# Altium PCB isg_eos_control_board_xem3001.PcbDoc (part 2 of 2) (continued)
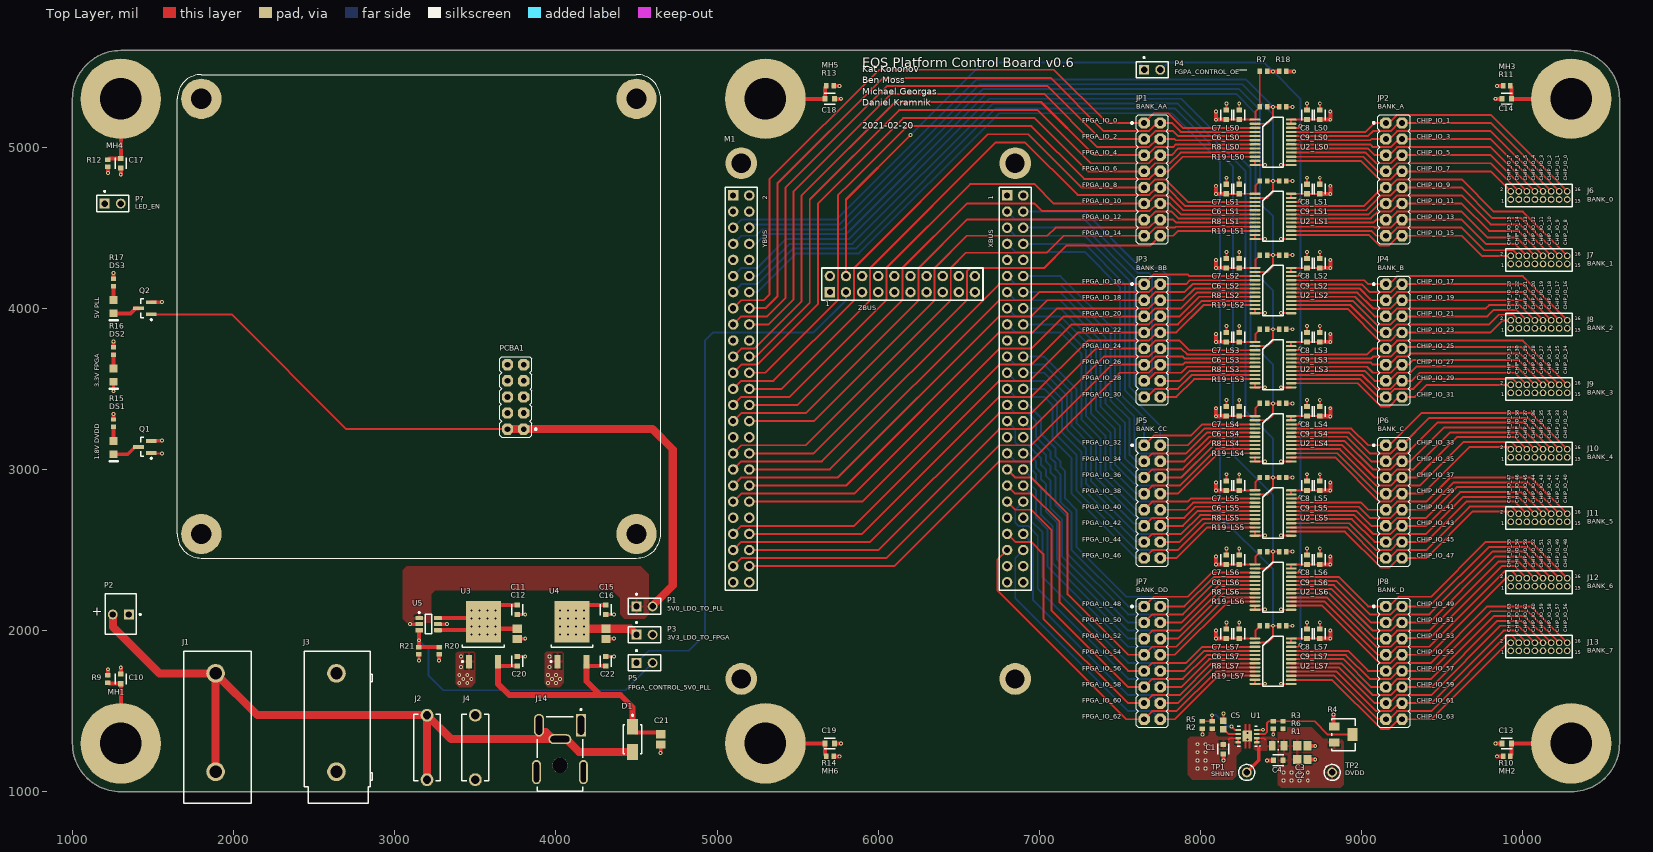
[diagram p0: Top Layer view]
## Nets (pads, with @x,y where several pads share a name; then routed paths per layer and width w, separated by ;. In a path a pad name is that pad's centre, name@x,y a point inside that pad or via, vN(x,y) a via of type N, cw(c..) or ccw(c..) an arc to the next point about the centre after c; other vN are vias at no path point) (continued)
  Top Layer w20: v1(1255,3485) DS2.2@1255,3543.66 ; Q1.2@1489.37,3177.4 1551.32,3177.4 1553.92,3180 v1(1555,3180) ; Q2.2@1489.37,4037.4 1551.32,4037.4 1553.92,4040 v1(1555,4040) ; v1(3095,2040) U5.2@3151.93,2040 ; v1(3150,1815) R21.2@3150,1852.36 ; U5.5@3268.07,2040 v1(3325,2040) ; C20.2@3760,1839.53 3760.24,1839.76 3809.76,1839.76 v1(3810,1840) ; C11.2@3760,2100.47 3760.24,2100.24 3809.76,2100.24 v1(3810,2100) ; C12.2@3767.74,1940.77 C12.2@3760,1948.5 3760.75,1949.25 3809.25,1949.25 v1(3810,1950) ; C22.2@4310,1839.53 4310.24,1839.76 4359.76,1839.76 v1(4360,1840) ; C16.2@4310,1948.5 4310.75,1949.25 4359.25,1949.25 v1(4360,1950) ; C15.2@4310,2100.47 4310.47,2100 v1(4360,2100) ; v1(4650,1240) C21.2@4650,1293.5
  Top Layer w25: R9.2@1220,1722.64 v1(1220,1760) ; v1(1220,4840) R12.2@1220,4877.36 ; C10.2@1300,1729.53 v1(1300,1770) ; v1(1300,4830) C17.2@1300,4870.47 ; R14.2@5722.64,1220 v1(5760,1220) ; R13.2@5722.64,5380 v1(5760,5380) ; C19.2@5729.53,1300 v1(5770,1300) ; C18.2@5729.53,5300 v1(5770,5300) ; v1(8141.5,1195) C1.2@8141.5,1235.47 ; v1(8411.5,1195) C4.2@8451.97,1195 ; R18.2@8532.64,5470 v1(8580,5470) ; C2.2@8662.99,1200 v1(8711.5,1200) ; C3.2@8662.99,1285 v1(8711.5,1285) ; v1(8825,1480) 8825,1408.62 R4.1@8829.41,1404.21 ; v1(9830,1300) C13.2@9870.47,1300 ; v1(9830,5300) C14.2@9870.47,5300 ; v1(9840,1220) R10.2@9877.36,1220 ; v1(9840,5380) R11.2@9877.36,5380
  other v1: 8291.5,1325 8291.5,1365 3400,1675 3450,1675 3950,1675 4000,1675 3425,1700 3475,1700 3975,1700 4025,1700 3400,1725 3450,1725 3950,1725 4000,1725 3410,1775 3960,1775 3410,1840 3960,1840
LOADSW_ON_5V0: P5.2 R20.2 R21.1 U5.3 | length 1976
  Top Layer w25: R21.1@3150.96,1898.6 R21.1@3150,1897.64 ; U5.3@3150.96,2002.3 U5.3@3151.26,2002.6 ; U5.3@3151.93,2002.6 U5.3@3151.26,2002.6 ; R20.2@3275,1897.64 R21.1@3150,1897.64 ; R21.1@3150,1897.64 v1(3150,1940) 3150,2002.3 3150.3,2002.6 U5.3@3151.26,2002.6
  Bottom Layer w12: v1(3150,1940) 3210,1880 3210,1720 3300,1630 4430,1630 P5.2@4600,1800
LV_DIR_0: M1.Y5 R8_LS0.1 R19_LS0.2 U2_LS0.2 | length 4072.9
  Top Layer w12: U2_LS0.2@8337.8,5145.16 8415.16,5145.16 8450,5180 v1(8450,5250) ; R19_LS0.2@8412.64,5250 v1(8450,5250) ; R8_LS0.1@8487.36,5250 v1(8450,5250)
  Bottom Layer w12: M1.Y5@5100,4500 5150,4550 5740,4550 6610,5420 8280,5420 v1(8450,5250)
LV_DIR_1: M1.Y6 R8_LS1.1 R19_LS1.2 U2_LS1.2 | length 4378.7
  Top Layer w12: U2_LS1.2@8337.8,4685.16 8415.16,4685.16 8450,4720 v1(8450,4790) ; R19_LS1.2@8412.64,4790 v1(8450,4790) ; R8_LS1.1@8487.36,4790 v1(8450,4790)
  Bottom Layer w12: M1.Y6@5200,4500 5220,4520 5760,4520 6630,5390 8260,5390 8450,5200 v1(8450,4790)
LV_DIR_2: M1.Y7 R8_LS2.1 R19_LS2.2 U2_LS2.2 | length 4926
  Top Layer w12: U2_LS2.2@8337.8,4225.16 8415.16,4225.16 8450,4260 v1(8450,4330) ; R19_LS2.2@8412.64,4330 v1(8450,4330) ; R8_LS2.1@8487.36,4330 v1(8450,4330)
  Bottom Layer w12: M1.Y7@5100,4400 5150,4450 5240,4450 5280,4490 5780,4490 6650,5360 8240,5360 8370,5230 8370,4650 8450,4570 v1(8450,4330)
LV_DIR_3: M1.Y8 R8_LS3.1 R19_LS3.2 U2_LS3.2 | length 5231.8
  Top Layer w12: U2_LS3.2@8337.8,3765.16 8415.16,3765.16 8450,3800 v1(8450,3870) ; R19_LS3.2@8412.64,3870 v1(8450,3870) ; R8_LS3.1@8487.36,3870 v1(8450,3870)
  Bottom Layer w12: M1.Y8@5200,4400 5240,4400 5300,4460 5800,4460 6670,5330 8220,5330 8340,5210 8340,4220 8450,4110 v1(8450,3870)
LV_DIR_4: M1.Y11 R8_LS4.1 R19_LS4.2 U2_LS4.2 | length 5633.1
  Top Layer w12: U2_LS4.2@8337.8,3305.16 8415.16,3305.16 8450,3340 v1(8450,3410) ; R19_LS4.2@8412.64,3410 v1(8450,3410) ; R8_LS4.1@8487.36,3410 v1(8450,3410)
  Bottom Layer w12: M1.Y11@5100,4200 5150,4250 5250,4250 5430,4430 5820,4430 6690,5300 7880,5300 8310,4870 8310,3790 8450,3650 v1(8450,3410)
LV_DIR_5: M1.Y12 R8_LS5.1 R19_LS5.2 U2_LS5.2 | length 5939
  Top Layer w12: U2_LS5.2@8337.8,2845.16 8415.16,2845.16 8450,2880 v1(8450,2950) ; R19_LS5.2@8412.64,2950 v1(8450,2950) ; R8_LS5.1@8487.36,2950 v1(8450,2950)
  Bottom Layer w12: M1.Y12@5200,4200 5250,4200 5450,4400 5840,4400 6710,5270 7860,5270 8280,4850 8280,3360 8450,3190 v1(8450,2950)
LV_DIR_6: M1.Y13 R8_LS6.1 R19_LS6.2 U2_LS6.2 | length 6486.2
  Top Layer w12: U2_LS6.2@8337.8,2385.16 8415.16,2385.16 8450,2420 v1(8450,2490) ; R19_LS6.2@8412.64,2490 v1(8450,2490) ; R8_LS6.1@8487.36,2490 v1(8450,2490)
  Bottom Layer w12: M1.Y13@5100,4100 5150,4150 5250,4150 5470,4370 5860,4370 6730,5240 7840,5240 8200,4880 8200,3090 8450,2840 v1(8450,2490)
LV_DIR_7: M1.Y14 R8_LS7.1 R19_LS7.2 U2_LS7.2 | length 6792.1
  Top Layer w12: U2_LS7.2@8337.8,1925.16 8415.16,1925.16 8450,1960 v1(8450,2030) ; R19_LS7.2@8412.64,2030 v1(8450,2030) ; R8_LS7.1@8487.36,2030 v1(8450,2030)
  Bottom Layer w12: M1.Y14@5200,4100 5200.5,4100.5 5250.5,4100.5 5490,4340 5880,4340 6750,5210 7820,5210 8120,4910 8120,2710 8450,2380 v1(8450,2030)
NetDS1_1: DS1.1 R15.1 | length 88.4
  Top Layer w25: DS1.1@1255,3176.34 R15.1@1255,3264.72
NetDS1_2: DS1.2 Q1.3 | length 174.8
  Top Layer w20: DS1.2@1255,3093.66 1342.64,3093.66 1388.98,3140 Q1.3@1410.63,3140
NetDS2_1: DS2.1 R16.1 | length 86
  Top Layer w25: DS2.1@1255,3626.34 R16.1@1255,3712.36
NetDS3_1: DS3.1 R17.1 | length 86
  Top Layer w25: DS3.1@1255,4051.34 R17.1@1255,4137.36
NetDS3_2: DS3.2 Q2.3 | length 168.6
  Top Layer w25: DS3.2@1255,3968.66 1359.02,3968.66 1390.35,4000 Q2.3@1410.63,4000
NR: C5.1 U1.6 | length 113.2
  Top Layer w12: C5.1@8141.5,1398.43 8141.5,1390 8173.7,1357.8 U1.6@8232.95,1357.8
PAD1: C10.1 MH1.PAD R9.1 | length 453.3
  Top Layer w25: R9.1@1220,1677.36 1222.95,1677.36 1229.84,1670.47 C10.1@1300,1670.47 MH1.PAD@1300,1300
PAD2: C13.1 MH2.PAD R10.1 | length 460.1
  Top Layer w25: R10.1@9923.92,1215.77 9922.64,1217.05 R10.1@9922.64,1220 9922.64,1222.95 9929.53,1229.84 C13.1@9929.53,1300 ; C13.1@9929.53,1301.97 C13.1@9929.53,1300 ; MH2.PAD@10300,1300 C13.1@9929.53,1300
PAD3: C14.1 MH3.PAD R11.1 | length 453.3
  Top Layer w25: R11.1@9922.64,5380 9922.64,5377.05 9929.53,5370.16 C14.1@9929.53,5300 MH3.PAD@10300,5300
PAD4: C17.1 MH4.PAD R12.1 | length 453.3
  Top Layer w25: R12.1@1220,4922.64 1222.95,4922.64 1229.84,4929.53 C17.1@1300,4929.53 MH4.PAD@1300,5300
PAD5: C18.1 MH5.PAD R13.1 | length 453.3
  Top Layer w25: MH5.PAD@5300,5300 C18.1@5670.47,5300 5670.47,5370.16 5677.36,5377.05 R13.1@5677.36,5380
PAD6: C19.1 MH6.PAD R14.1 | length 453.3
  Top Layer w25: MH6.PAD@5300,1300 C19.1@5670.47,1300 5670.47,1229.84 5677.36,1222.95 R14.1@5677.36,1220
PP_P1V8_IO_DVDD: C2.1 C3.1 C4.1 C8_LS0.1 C8_LS1.1 C8_LS2.1 C8_LS3.1 C8_LS4.1 C8_LS5.1 C8_LS6.1 C8_LS7.1 C9_LS0.1 C9_LS1.1 C9_LS2.1 C9_LS3.1 C9_LS4.1 C9_LS5.1 C9_LS6.1 C9_LS7.1 Q1.1 R1.2 R3.2 R4.3 TP2.1 U2_LS0.23 U2_LS0.24 U2_LS1.23 U2_LS1.24 U2_LS2.23 U2_LS2.24 U2_LS3.23 U2_LS3.24 U2_LS4.23 U2_LS4.24 U2_LS5.23 U2_LS5.24 U2_LS6.23 U2_LS6.24 U2_LS7.23 U2_LS7.24 | length 10652.3
  Top Layer w12: Q1.1@1489.37,3102.6 1491.97,3100 v1(1555,3100) ; U2_LS7.23@8562.2,1925.16 U2_LS7.24@8562.2,1950.75 8562.34,1950.61 8659.86,1950.61 C9_LS7.1@8660,1950.47 C8_LS7.1@8740,1950.47 ; U2_LS6.23@8562.2,2385.16 U2_LS6.24@8562.2,2410.75 8562.34,2410.61 8659.86,2410.61 C9_LS6.1@8660,2410.47 C8_LS6.1@8740,2410.47 ; U2_LS5.23@8562.2,2845.16 U2_LS5.24@8562.2,2870.75 8562.34,2870.61 8659.86,2870.61 C9_LS5.1@8660,2870.47 C8_LS5.1@8740,2870.47 ; U2_LS4.23@8562.2,3305.16 U2_LS4.24@8562.2,3330.75 8562.34,3330.61 8659.86,3330.61 C9_LS4.1@8660,3330.47 C8_LS4.1@8740,3330.47 ; U2_LS3.23@8562.2,3765.16 U2_LS3.24@8562.2,3790.75 8562.34,3790.61 8659.86,3790.61 C9_LS3.1@8660,3790.47 C8_LS3.1@8740,3790.47 ; U2_LS2.23@8562.2,4225.16 U2_LS2.24@8562.2,4250.75 8562.34,4250.61 8659.86,4250.61 C9_LS2.1@8660,4250.47 C8_LS2.1@8740,4250.47 ; U2_LS1.23@8562.2,4685.16 U2_LS1.24@8562.2,4710.75 8562.34,4710.61 8659.86,4710.61 C9_LS1.1@8660,4710.47 C8_LS1.1@8740,4710.47 ; U2_LS0.23@8562.2,5145.16 U2_LS0.24@8562.2,5170.75 8562.34,5170.61 8659.86,5170.61 C9_LS0.1@8660,5170.47 C8_LS0.1@8740,5170.47
  Top Layer w25: C8_LS7.1@8740,1950.47 8804.53,1950.47 v1(8805,1950) v1(8805,2000) ; C8_LS6.1@8740,2410.47 8804.53,2410.47 v1(8805,2410) v1(8805,2460) ; C8_LS5.1@8740,2870.47 8804.53,2870.47 v1(8805,2870) v1(8805,2920) ; C8_LS4.1@8740,3330 8804.53,3330 v1(8805,3329.53) v1(8805,3380) ; C8_LS3.1@8740,3790.47 8804.53,3790.47 v1(8805,3790) v1(8805,3840) ; C8_LS2.1@8740,4250.47 8804.53,4250.47 v1(8805,4250) v1(8805,4300) ; C8_LS1.1@8740,4710.47 8804.53,4710.47 v1(8805,4710) v1(8805,4760) ; C8_LS0.1@8740,5170.47 8804.53,5170.47 v1(8805,5170) v1(8805,5220)
  MidLayer 2 w12: v1(1555,3100) 1700,3100 3200,1600 4800,1600 5090,1890 5355,1890 6206.99,1038.01 8475,1035 8490,1050
  other v1: 8515,1070 8565,1070 8615,1070 8665,1070 8515,1120 8565,1120 8615,1120 8665,1120
PP_P3V3_IO_FPGA: C1.1 C6_LS0.1 C6_LS1.1 C6_LS2.1 C6_LS3.1 C6_LS4.1 C6_LS5.1 C6_LS6.1 C6_LS7.1 C7_LS0.1 C7_LS1.1 C7_LS2.1 C7_LS3.1 C7_LS4.1 C7_LS5.1 C7_LS6.1 C7_LS7.1 M1.X9 M1.X10 M1.X41 M1.X42 M1.Y9 M1.Y10 M1.Y41 M1.Y42 M1.Z1 M1.Z2 P3.2 P?.1 R2.2 R7.1 R19_LS0.1 R19_LS1.1 R19_LS2.1 R19_LS3.1 R19_LS4.1 R19_LS5.1 R19_LS6.1 R19_LS7.1 R20.1 U1.7 U1.8 U2_LS0.1 U2_LS1.1 U2_LS2.1 U2_LS3.1 U2_LS4.1 U2_LS5.1 U2_LS6.1 U2_LS7.1 | length 9163.3
  Top Layer w12: C6_LS7.1@8160,1950.47 C7_LS7.1@8240,1950.47 8240.14,1950.61 8337.66,1950.61 U2_LS7.1@8337.8,1950.75 8339.18,1950.75 8340,1951.57 8340,1999.69 8367.36,2027.05 R19_LS7.1@8367.36,2030 ; C6_LS6.1@8160,2410.47 C7_LS6.1@8240,2410.47 8240.14,2410.61 8337.66,2410.61 U2_LS6.1@8337.8,2410.75 8339.18,2410.75 8340,2411.57 8340,2459.69 8367.36,2487.05 R19_LS6.1@8367.36,2490 ; C6_LS5.1@8160,2870.47 C7_LS5.1@8240,2870.47 8240.14,2870.61 8337.66,2870.61 U2_LS5.1@8337.8,2870.75 8339.18,2870.75 8340,2871.57 8340,2919.69 8367.36,2947.05 R19_LS5.1@8367.36,2950 ; C6_LS4.1@8160,3330.47 C7_LS4.1@8240,3330.47 8240.14,3330.61 8337.66,3330.61 U2_LS4.1@8337.8,3330.75 8339.18,3330.75 8340,3331.57 8340,3379.69 8367.36,3407.05 R19_LS4.1@8367.36,3410 ; C6_LS3.1@8160,3790.47 C7_LS3.1@8240,3790.47 8240.14,3790.61 8337.66,3790.61 U2_LS3.1@8337.8,3790.75 8339.18,3790.75 8340,3791.57 8340,3839.69 8367.36,3867.05 R19_LS3.1@8367.36,3870 ; C6_LS2.1@8160,4250.47 C7_LS2.1@8240,4250.47 8240.14,4250.61 8337.66,4250.61 U2_LS2.1@8337.8,4250.75 8339.18,4250.75 8340,4251.57 8340,4299.69 8367.36,4327.05 R19_LS2.1@8367.36,4330 ; C6_LS1.1@8160,4710.47 C7_LS1.1@8240,4710.47 8240.14,4710.61 8337.66,4710.61 U2_LS1.1@8337.8,4710.75 8339.18,4710.75 8340,4711.57 8340,4759.69 8367.36,4787.05 R19_LS1.1@8367.36,4790 ; C6_LS0.1@8160,5170.47 C7_LS0.1@8240,5170.47 8240.14,5170.61 8337.66,5170.61 U2_LS0.1@8337.8,5170.75 8339.18,5170.75 8340,5171.57 8340,5219.69 8367.36,5247.05 R19_LS0.1@8367.36,5250 R7.1@8367.36,5470 ; 8175,1325 8182.2,1332.2 U1.7@8232.95,1332.2 U1.8@8232.95,1306.61
  Top Layer w25: v1(3275,1815) R20.1@3275,1852.36 ; v1(8095,2000) v1(8095,1950) C6_LS7.1@8159.53,1950 ; v1(8095,2460) v1(8095,2410) C6_LS6.1@8159.53,2410 ; v1(8095,2920) v1(8095,2870) C6_LS5.1@8159.53,2870 ; v1(8095,3380) v1(8095,3330) C6_LS4.1@8159.53,3330 ; v1(8095,3840) v1(8095,3790) C6_LS3.1@8159.53,3790 ; v1(8095,4300) v1(8095,4250) 8159.53,4250 C6_LS2.1@8160,4250.47 ; v1(8095,4760) v1(8095,4710) C6_LS1.1@8159.53,4710 ; v1(8095,5220) v1(8095,5170) C6_LS0.1@8159.53,5170
  MidLayer 2 w25: P?.1@1200,4650 1200,4700 1250,4750 1510,4750 1630,4630 1630,3345 3100,1875 3275,1875 ; v1(3275,1815) 3275,1875 ; P3.2@4600,1975 4500,1875 3275,1875
  MidLayer 2 w50: P3.2@4600,1975 4825,1975
  other v1: 7980,1145 8030,1145 7980,1195 8030,1195 7980,1245 8030,1245 7980,1295 8030,1295
PP_P3V3_LDO: C15.1 C16.1 P3.1 U4.4 | length 691.2
  Top Layer w25: U4.4@4144.21,2011.5 U4.4@4100,2055.71 4100,2063.76 4195.77,2159.53 C15.1@4310,2159.53
  Top Layer w50: U4.4@4144.21,2011.5 C16.1@4310,2011.5 4463.5,2011.5 P3.1@4500,1975
  other v1: 4025,1975 4075,1975 4125,1975 4175,1975 4025,2025 4075,2025 4125,2025 4175,2025 4025,2075 4075,2075 4125,2075 4175,2075 4025,2125 4075,2125 4125,2125 4175,2125
PP_P3V3_LED: P?.2 R15.2 R16.2 R17.2 | length 1743.5
  Top Layer w25: R15.2@1255,3310 v1(1255,3345) ; R16.2@1255,3757.64 v1(1255,3795) ; R17.2@1255,4182.64 v1(1255,4220)
  MidLayer 2 w50: v1(1255,3345) 1350,3440 1350,3890 ; v1(1255,3795) 1350,3890 ; v1(1255,4220) 1350,4315 ; P?.2@1300,4650 1350,4600 1350,4315 ; 1350,3890 1350,4315
PP_P5V0_LDO: C11.1 C12.1 U3.4 U5.4 U5.6 | length 1080.9
  Top Layer w25: U5.4@3268.07,2002.6 3496.89,2002.6 U3.4@3550,2055.71 ; U5.6@3268.07,2077.4 3528.31,2077.4 U3.4@3550,2055.71 ; C12.1@3760,2011.5 3594.21,2011.5 U3.4@3550,2055.71 ; C11.1@3760,2159.53 3645.77,2159.53 3550,2063.76 U3.4@3550,2055.71
  other v1: 3475,1975 3525,1975 3575,1975 3625,1975 3475,2025 3525,2025 3575,2025 3625,2025 3475,2075 3525,2075 3575,2075 3625,2075 3475,2125 3525,2125 3575,2125 3625,2125
PP_P5V0_LDSW: P1.1 U5.1
PP_P5V0_PLL: P1.2 PCBA1.1 PCBA1.2 Q2.1 | length 4611.1
  Top Layer w12: Q2.1@1489.37,3962.6 1987.4,3962.6 2700,3250 PCBA1.2@3700,3250
  Top Layer w50: PCBA1.2@3700,3250 PCBA1.1@3800,3250 4600,3250 4725,3125 4725,2279.22 4597.89,2152.11 P1.2@4600,2150
SHUNT: R1.1 TP1.1 U1.1 U1.2 | length 260.5
  Top Layer w12: U1.1@8349.09,1306.61 U1.2@8349.09,1332.2 8392.8,1332.2 8400,1325
  Top Layer w20: TP1.1@8286.5,1120 8361.5,1195 8361.5,1270
VIN_UNREG: D1.2 J1.1 J2.1 J14.2 J14.3 P2.2 | length 4776.7
  Top Layer w50: P2.2@1250,2100 1252.11,2097.89 1252.11,2022.89 1540.35,1734.65 J1.1@1888.19,1734.65 ; J1.1@1888.19,1124.41 J1.1@1888.19,1734.65 ; J2.1@3200,1075 J2.1@3200,1475 ; J14.3@3895.08,1413.03 3895.08,1377.18 3901.08,1371.18 3937.36,1371.18 J14.2@3982.11,1326.42 ; D1.2@4475,1246.26 4144.53,1246.26 4064.37,1326.42 J14.2@4025,1326.42 J14.2@3982.11,1326.42 ; J1.1@1888.19,1734.65 2147.83,1475 J2.1@3200,1475 ; J2.1@3200,1475 3348.58,1326.42 J14.2@3982.11,1326.42
VIN_UNREG_D: C20.1 C21.1 C22.1 D1.1 U3.3 U4.3 | length 1826.5
  Top Layer w25: U3.3@3639.76,1807.68 3639.76,1786.67 3645.96,1780.47 C20.1@3760,1780.47 ; U4.3@4189.76,1807.68 4189.76,1786.2 4195.96,1780 4290,1780 ; D1.1@4475,1403.74 4475,1387.99 4495.96,1367.03 4639.47,1367.03 C21.1@4650,1356.5
  Top Layer w36: U3.3@3639.76,1786.67 3639.76,1670.24 3710,1600 4275,1600 ; U4.3@4189.76,1786.2 4189.76,1685.24 4275,1600 ; D1.1@4475,1403.74 4475,1525 4400,1600 4275,1600
pads on no net: J14. M1.0 M1.X47 M1.X48 M1.Y3 M1.Y4 M1.Z5 M1.Z6 M1.Z7 M1.Z8 M1.Z9 M1.Z10 M1.Z11 M1.Z12 M1.Z13 M1.Z14 M1.Z15 M1.Z16 M1.Z17 M1.Z18 PCBA1.5 PCBA1.7 PCBA1.8 PCBA1.9 PCBA1.10 PCBA1.MH1 PCBA1.MH2 PCBA1.MH3 PCBA1.MH4

## Polygon pours and split planes (outlines as drawn)
PP_P3V3_IO_FPGA on Top Layer "Top Layer-PP_P3V3_IO_FPGA" (solid, pour order 2): 8050,1355 8035,1340 7935,1340 7920,1325 7920,1105 7950,1075 8200,1075 8221.5,1096.49 8221.5,1221.5 8251.5,1251.5 8251.5,1340 8110,1340 8095,1355 8095,1410 8050,1410
PP_P5V0_LDSW on Top Layer (solid, pour order 24): 3225,2050 3075,2050 3050,2075 3050,2375 3075,2400 4525,2400 4575,2350 4575,2100 4550,2075 4425,2075 4400,2100 4400,2200 4350,2250 3250,2250 3225,2225
GND on Top Layer (solid, pour order 18): 4040,1870 4050,1860 4050,1675 4025,1650 3950,1650 3930,1670 3930,1860 3940,1870
GND on Top Layer (solid, pour order 16): 3490,1870 3500,1860 3500,1675 3475,1650 3400,1650 3380,1670 3380,1860 3390,1870
PP_P1V8_IO_DVDD on Top Layer "Top Layer-PP_P1V8_IO_DVDD" (solid, pour order 8): 8760,1330 8870,1330 8890,1310 8890,1045 8870,1025 8500,1025 8480,1045 8480,1380 8500,1400 8690,1400
SHUNT on Top Layer "Top Layer-SHUNT" (solid, pour order 4): 8461.5,1340 8471.5,1330 8471.5,1260 8466.5,1255 8341.5,1255 8331.5,1265 8331.5,1340
PP_P3V3_IO_FPGA on MidLayer 2 (solid, pour order 14): 4750,1975 4800,1925 5375,1925 6225,1075 8200,1075 8225,1100 8225,5275 8200,5300 8050,5300 8025,5275 8025,1500 7900,1375 6950,1375 6725,1600 6725,2625 6750,2650 6925,2650 6950,2675 6950,2725 6925,2750 6750,2750 6725,2775 6725,4225 6750,4250 6925,4250 6950,4275 6950,4325 6925,4350 5950,4350 5225,4350 4800,4350 4750,4300
PP_P1V8_IO_DVDD on MidLayer 2 (solid, pour order 10): 8479.81,1555 8645,1720.19 8645,5225 8690,5270.19 8879.81,5270.19 8929.81,5220.19 8929.81,1084.81 8870,1025 8500,1025 8479.81,1045.19
VIN_UNREG on Bottom Layer "MidLayer 2-VIN_UNREG" (solid, pour order 6): 4300,1550 2575,1550 1845,2280 1205,2280 1175,2250 1175,1950 1675,1450 1675,1075 1750,1000 4300,1000 4350,1050 4350,1500
PP_P3V3_LDO on Bottom Layer (solid, pour order 22): 4300,3100 4325,3075 4325,1925 4300,1900 3900,1900 3875,1925 3875,3075 3900,3100
PP_P5V0_LDO on Bottom Layer (solid, pour order 20): 3750,3100 3775,3075 3775,1925 3750,1900 3350,1900 3325,1925 3325,3075 3350,3100
GND on MidLayer 1 "GND_MID1" (solid, pour order 0): 10300,1000 ccw(c10300,1300) 10600,1300 10600,5300 ccw(c10300,5300) 10300,5600 1300,5600 ccw(c1300,5300) 1000,5300 1000,1300 ccw(c1300,1300) 1300,1000

## Silkscreen, mask and mechanical layers (free items; w line width, h text height)
Top Overlay:
  lines w4: 8231,5481 8286,5481
  text "EOS Platform Control Board v0.6" at 5900,5473.85 h100
  text "FGPA_CONTROL_OE" at 7840,5440 h50
  text "BANK_AA" at 7600,5225 h50
  text "BANK_A" at 9100,5225 h50
  text "FPGA_IO_0" at 7265,5140 h50
  text "CHIP_IO_1" at 9340,5140 h50
  text "Kat Kononov / Ben Moss / Michael Georgas / Daniel Kramnik /  / 2021-02-20" at 5900,5100 h70
  text "FPGA_IO_2" at 7265,5040 h50
  text "CHIP_IO_3" at 9340,5040 h50
  text "FPGA_IO_4" at 7265,4940 h50
  text "CHIP_IO_5" at 9340,4940 h50
  text "FPGA_IO_6" at 7265,4840 h50
  text "CHIP_IO_7" at 9340,4840 h50
  text "CHIP_IO_7" at 9935,4790 h40 r90
  text "CHIP_IO_6" at 9985,4790 h40 r90
  text "CHIP_IO_5" at 10035,4790 h40 r90
  text "CHIP_IO_4" at 10085,4790 h40 r90
  text "CHIP_IO_3" at 10135,4790 h40 r90
  text "CHIP_IO_2" at 10185,4790 h40 r90
  text "CHIP_IO_1" at 10235,4790 h40 r90
  text "CHIP_IO_0" at 10285,4790 h40 r90
  text "FPGA_IO_8" at 7265,4740 h50
  text "CHIP_IO_9" at 9340,4740 h50
  text "BANK_0" at 10400,4650 h50
  text "FPGA_IO_10" at 7265,4640 h50
  text "CHIP_IO_11" at 9340,4640 h50
  text "LED_EN" at 1390,4605 h50
  text "FPGA_IO_12" at 7265,4540 h50
  text "CHIP_IO_13" at 9340,4540 h50
  text "FPGA_IO_14" at 7265,4440 h50
  text "CHIP_IO_15" at 9340,4440 h50
  text "CHIP_IO_15" at 9935,4390 h40 r90
  text "CHIP_IO_14" at 9985,4390 h40 r90
  text "CHIP_IO_13" at 10035,4390 h40 r90
  text "CHIP_IO_12" at 10085,4390 h40 r90
  text "CHIP_IO_11" at 10135,4390 h40 r90
  text "CHIP_IO_10" at 10185,4390 h40 r90
  text "CHIP_IO_9" at 10235,4390 h40 r90
  text "CHIP_IO_8" at 10285,4390 h40 r90
  text "BANK_1" at 10400,4250 h50
  text "BANK_BB" at 7600,4225 h50
  text "BANK_B" at 9100,4225 h50
  text "FPGA_IO_16" at 7265,4140 h50
  text "CHIP_IO_17" at 9340,4140 h50
  text "FPGA_IO_18" at 7265,4040 h50
  text "CHIP_IO_19" at 9340,4040 h50
  text "CHIP_IO_23" at 9935,3990 h40 r90
  text "CHIP_IO_22" at 9985,3990 h40 r90
  text "CHIP_IO_21" at 10035,3990 h40 r90
  text "CHIP_IO_20" at 10085,3990 h40 r90
  text "CHIP_IO_19" at 10135,3990 h40 r90
  text "CHIP_IO_18" at 10185,3990 h40 r90
  text "CHIP_IO_17" at 10235,3990 h40 r90
  text "CHIP_IO_16" at 10285,3990 h40 r90
  text "FPGA_IO_20" at 7265,3940 h50
  text "CHIP_IO_21" at 9340,3940 h50
  text "5V PLL" at 1180,3935 h50 r90
  text "BANK_2" at 10400,3850 h50
  text "FPGA_IO_22" at 7265,3840 h50
  text "CHIP_IO_23" at 9340,3840 h50
  text "FPGA_IO_24" at 7265,3740 h50
  text "CHIP_IO_25" at 9340,3740 h50
  text "FPGA_IO_26" at 7265,3640 h50
  text "CHIP_IO_27" at 9340,3640 h50
  text "CHIP_IO_31" at 9935,3590 h40 r90
  text "CHIP_IO_30" at 9985,3590 h40 r90
  text "CHIP_IO_29" at 10035,3590 h40 r90
  text "CHIP_IO_28" at 10085,3590 h40 r90
  text "CHIP_IO_27" at 10135,3590 h40 r90
  text "CHIP_IO_26" at 10185,3590 h40 r90
  text "CHIP_IO_25" at 10235,3590 h40 r90
  text "CHIP_IO_24" at 10285,3590 h40 r90
  text "FPGA_IO_28" at 7265,3540 h50
  text "CHIP_IO_29" at 9340,3540 h50
  text "3.3V FPGA" at 1180,3510 h50 r90
  text "BANK_3" at 10400,3450 h50
  text "FPGA_IO_30" at 7265,3440 h50
  text "CHIP_IO_31" at 9340,3440 h50
  text "BANK_CC" at 7600,3225 h50
  text "BANK_C" at 9100,3225 h50
  text "CHIP_IO_39" at 9935,3190 h40 r90
  text "CHIP_IO_38" at 9985,3190 h40 r90
  text "CHIP_IO_37" at 10035,3190 h40 r90
  text "CHIP_IO_36" at 10085,3190 h40 r90
  text "CHIP_IO_35" at 10135,3190 h40 r90
  text "CHIP_IO_34" at 10185,3190 h40 r90
  text "CHIP_IO_33" at 10235,3190 h40 r90
  text "CHIP_IO_32" at 10285,3190 h40 r90
  text "FPGA_IO_32" at 7265,3140 h50
  text "CHIP_IO_33" at 9340,3140 h50
  text "1.8V DVDD" at 1180,3060 h50 r90
  text "BANK_4" at 10400,3050 h50
  text "FPGA_IO_34" at 7265,3040 h50
  text "CHIP_IO_35" at 9340,3040 h50
  text "FPGA_IO_36" at 7265,2940 h50
  text "CHIP_IO_37" at 9340,2940 h50
  text "FPGA_IO_38" at 7265,2840 h50
  text "CHIP_IO_39" at 9340,2840 h50
  text "CHIP_IO_47" at 9935,2790 h40 r90
  text "CHIP_IO_46" at 9985,2790 h40 r90
  text "CHIP_IO_45" at 10035,2790 h40 r90
  text "CHIP_IO_44" at 10085,2790 h40 r90
  text "CHIP_IO_43" at 10135,2790 h40 r90
  text "CHIP_IO_42" at 10185,2790 h40 r90
  text "CHIP_IO_41" at 10235,2790 h40 r90
  text "CHIP_IO_40" at 10285,2790 h40 r90
  text "FPGA_IO_40" at 7265,2740 h50
  text "CHIP_IO_41" at 9340,2740 h50
  text "BANK_5" at 10400,2650 h50
  text "FPGA_IO_42" at 7265,2640 h50
  text "CHIP_IO_43" at 9340,2640 h50
  text "FPGA_IO_44" at 7265,2540 h50
  text "CHIP_IO_45" at 9340,2540 h50
  text "FPGA_IO_46" at 7265,2440 h50
  text "CHIP_IO_47" at 9340,2440 h50
  text "CHIP_IO_55" at 9935,2390 h40 r90
  text "CHIP_IO_54" at 9985,2390 h40 r90
  text "CHIP_IO_53" at 10035,2390 h40 r90
  text "CHIP_IO_52" at 10085,2390 h40 r90
  text "CHIP_IO_51" at 10135,2390 h40 r90
  text "CHIP_IO_50" at 10185,2390 h40 r90
  text "CHIP_IO_49" at 10235,2390 h40 r90
  text "CHIP_IO_48" at 10285,2390 h40 r90
  text "BANK_6" at 10400,2250 h50
  text "BANK_DD" at 7600,2225 h50
  text "BANK_D" at 9100,2225 h50
  text "FPGA_IO_48" at 7265,2140 h50
  text "CHIP_IO_49" at 9340,2140 h50
  text "5V0_LDO_TO_PLL" at 4690,2110 h50
  text "+" at 1120,2070 h100
  text "FPGA_IO_50" at 7265,2040 h50
  text "CHIP_IO_51" at 9340,2040 h50
  text "CHIP_IO_63" at 9935,1990 h40 r90
  text "CHIP_IO_62" at 9985,1990 h40 r90
  text "CHIP_IO_61" at 10035,1990 h40 r90
  text "CHIP_IO_60" at 10085,1990 h40 r90
  text "CHIP_IO_59" at 10135,1990 h40 r90
  text "CHIP_IO_58" at 10185,1990 h40 r90
  text "CHIP_IO_57" at 10235,1990 h40 r90
  text "CHIP_IO_56" at 10285,1990 h40 r90
  text "FPGA_IO_52" at 7265,1940 h50
  text "CHIP_IO_53" at 9340,1940 h50
  text "3V3_LDO_TO_FPGA" at 4690,1930 h50
  text "BANK_7" at 10400,1850 h50
  text "FPGA_IO_54" at 7265,1840 h50
  text "CHIP_IO_55" at 9340,1840 h50
  text "FPGA_IO_56" at 7265,1740 h50
  text "CHIP_IO_57" at 9340,1740 h50
  text "FPGA_IO_58" at 7265,1640 h50
  text "CHIP_IO_59" at 9340,1640 h50
  text "FPGA_CONTROL_5V0_PLL" at 4450,1620 h50
  text "FPGA_IO_60" at 7265,1540 h50
  text "CHIP_IO_61" at 9340,1540 h50
  text "FPGA_IO_62" at 7265,1440 h50
  text "CHIP_IO_63" at 9340,1440 h50
  text "DVDD" at 8896.5,1090 h50
  text "SHUNT" at 8066.5,1085 h50

## Text inside footprints (layer, text, board x,y; h text height)
J6: Top Overlay "1" at 9865,4645 h40; Top Overlay "2" at 9859.81,4715.75 h40; Top Overlay "16" at 10320.87,4715.75 h40; Top Overlay "15" at 10320.87,4644.88 h40
J7: Top Overlay "1" at 9865,4245 h40; Top Overlay "2" at 9859.81,4315.75 h40; Top Overlay "16" at 10320.87,4315.75 h40; Top Overlay "15" at 10320.87,4244.88 h40
J8: Top Overlay "1" at 9865,3845 h40; Top Overlay "2" at 9859.81,3915.75 h40; Top Overlay "16" at 10320.87,3915.75 h40; Top Overlay "15" at 10320.87,3844.88 h40
J9: Top Overlay "1" at 9865,3445 h40; Top Overlay "2" at 9859.81,3515.75 h40; Top Overlay "16" at 10320.87,3515.75 h40; Top Overlay "15" at 10320.87,3444.88 h40
J10: Top Overlay "1" at 9865,3045 h40; Top Overlay "2" at 9859.81,3115.75 h40; Top Overlay "16" at 10320.87,3115.75 h40; Top Overlay "15" at 10320.87,3044.88 h40
J11: Top Overlay "1" at 9865,2645 h40; Top Overlay "2" at 9859.81,2715.75 h40; Top Overlay "16" at 10320.87,2715.75 h40; Top Overlay "15" at 10320.87,2644.88 h40
J12: Top Overlay "1" at 9865,2245 h40; Top Overlay "2" at 9859.81,2315.75 h40; Top Overlay "16" at 10320.87,2315.75 h40; Top Overlay "15" at 10320.87,2244.88 h40
J13: Top Overlay "1" at 9865,1845 h40; Top Overlay "2" at 9859.81,1915.75 h40; Top Overlay "16" at 10320.87,1915.75 h40; Top Overlay "15" at 10320.87,1844.88 h40
M1: Top Overlay "ZBUS" at 5875,3975 h50; Top Overlay "1" at 5675,4000 h50; Top Overlay "2" at 5325,4675 h50 r90; Top Overlay "1" at 6725,4675 h50 r90; Top Overlay "YBUS" at 5325,4375 h50 r90; Top Overlay "XBUS" at 6725,4375 h50 r90